# Altium PCB EEM_PWR_MOD_AC.pcbdoc (continued)
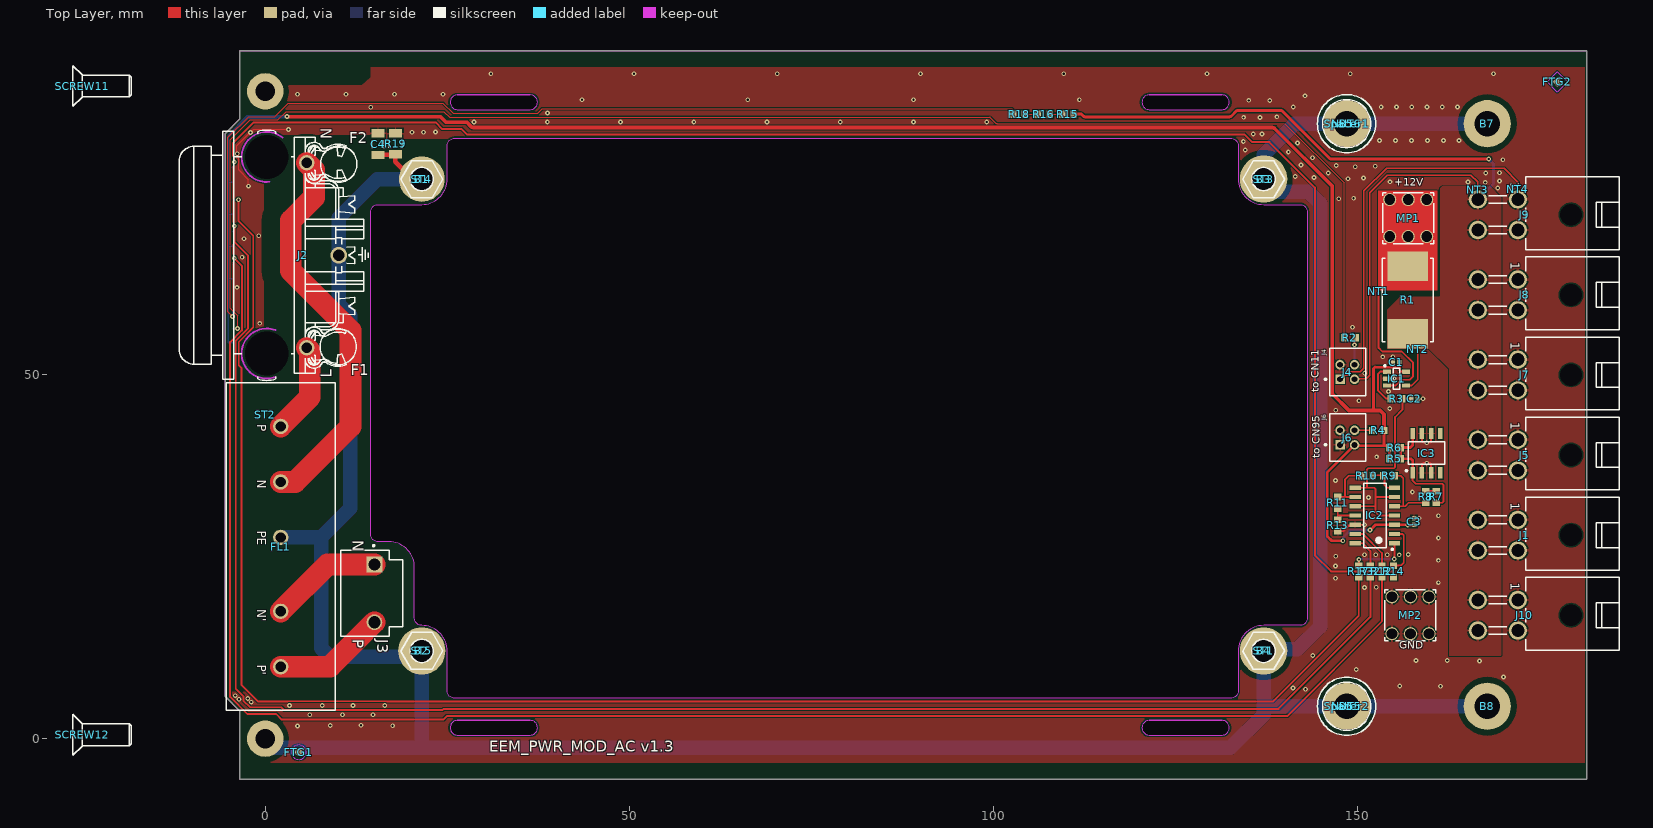
[diagram p0: Top Layer view]
## Footprints (in the part's own frame and the unit in brackets; to place one, negate y for a bottom-side part, rotate by r counter-clockwise, add the part's x,y. Pads: shape width x height; smd on the part's side, far side on the other; paste and mask are expansions set on the pad) (continued)
JST-B3P-VH(LF)(SN)-3_V [mm] "Connector, 3-Leads, Body 8.5x11.82mm, Pitch 3.96mm"
  rect 2.15x2.15 hole 1.65: 1(-3.96,1.25)
  round 2.15 hole 1.65: 3(3.96,1.25)
  silkscreen extent -6.68,-3.35 5.91,5.15, body extent -5.91,-3.35 5.91,5.15, height 10.9
LED_AVAGO_HSMC-C120 [mm] "Red Chip LED, 2-Leads, Body 1.7x1.1mm, Side Emitting Package"
  rect 0.8x0.7 smd: 1(-1,0) 2(1,0)
  rect 0.4x0.4 smd: 3(0,-0.35)
  silkscreen extent -1.12,-0.92 0.42,0.8, body extent -0.85,-0.3 0.85,0.8, height 0.7
LED_AVAGO_HSME-C120 [mm] "Green Chip LED, 2-Leads, Body 1.7x1.1mm, Side Emitting Package"
  rect 0.8x0.7 smd: 1(-1,0) 2(1,0)
  rect 0.4x0.4 smd: 3(0,-0.35)
  silkscreen extent -1.12,-0.92 0.42,0.8, body extent -0.85,-0.3 0.85,0.8, height 0.7
MOLEX_39-30-0040 [mm] "4.20mm (.165\") Pitch Mini-Fit Jr. Header, Dual Row, Right Angle with Snap-in Plastic Peg PCB Lock, 4 Circuits"
  round 2.5 hole 1.8: 1(-2.1,2.75) 2(2.1,2.75) 3(-2.1,-2.75) 4(2.1,-2.75)
  round 1 hole 3 unplated mask+1: 5(0,10.05)
  silkscreen extent -5.2,-1.24 4.8,16.65, body extent -5.2,-3.28 4.8,16.65, height 11.4
MTG320_700#1 [mm] "Plated Through Hole: Hole Dia.=3.2mm Pad Dia.=7.0mm"
  round 6.25 hole 3.2 mask+0.25: 1(0,0)
MTG320_700#2 [mm] "Plated Through Hole: Hole Dia.=3.2mm Pad Dia.=7.0mm"
  round 6.5 hole 3.2: 1(0,0)
MTG350_650 [mm] "Plated Through Hole: Hole Dia.=3.5mm Pad Dia.=6.5mm"
  round 6.5 hole 3.5: 1(0,0)
"Net Tie" [mil] "SMD Net Tie"
  rect 5x5 smd paste-2.5 mask-2.5: 1(0,0) 2(10,0)
  Top Layer lines w6: 0,0 10,0
OSSARD_M3X8/BN3327_h [mm] "M3 L=6mm countersunk; Pozidriv Head Screw, Fully Threaded - Stainless Steel A2"
  silkscreen extent -6.76,-2.8 1.27,2.8, body extent -6.73,-2.62 1.27,2.63, height 29.32
RESC1608X55N [mm] "Chip Resistor, EIA 0603, Metric 1608, Body 1.6x0.8mm, IPC Medium Density"
  rect 0.9x1 smd: 1(-0.8,0) 2(0.8,0)
  body extent -0.87,-0.47 0.88,0.48, height 0.55
RESC3216X65N [mm] "Chip Resistor, EIA 1206, Metric 3216, Body 3.2x1.6mm, IPC Medium Density"
  rect 1.15x1.8 smd: 1(-1.45,0) 2(1.45,0)
  silkscreen extent -0.5,-0.9 0.5,0.9, body extent -1.67,-0.87 1.68,0.88, height 0.65
RESM11670X254N [mm] "Resistor, Molded Body; 11.56mm L X 6.98mm W X 2.537mm H, IPC Medium Density"
  rect 4.05x5.5 smd: 1(-4.65,0) 2(4.65,0)
  silkscreen extent -5.75,-3.5 5.75,3.5, body extent -6.19,-3.55 6.19,3.55, height 2.54
"Schroff 30848430" [mm]
  round 5 hole 2.7: 1(0,0) 2(0,88.9)
SCHURTER_GSF1.2202.31 [mm] "IEC Appliance Inlet C14 with 2 Pole Fuseholder"
  round 2.1 hole 1.4: 1(-12.7,-5.5) 3(12.7,-5.5)
  round 2.3 hole 1.6: 2(0,-9.9)
  round 0 hole 6 unplated mask+2.5: 4(-13.5,0) 5(13.5,0)
  silkscreen extent -17.2,-13.93 17.2,12, body extent -17.18,-13.3 17.18,12, height 24.45
SOIC127P600X175-8N [mm] "SOIC 8, Pitch 1.27mm - Body 4x5mm, IPC Medium Density"
  rect 1.55x0.6 smd: 1(-2.7,1.905) 2(-2.7,0.635) 3(-2.7,-0.635) 4(-2.7,-1.905) 5(2.7,-1.905) 6(2.7,-0.635) 7(2.7,0.635) 8(2.7,1.905)
  silkscreen extent -2.52,-2.5 1.55,2.88, body extent -3.1,-2.5 3.1,2.5, height 1.75
SOIC127P600X175-14N [mm] "SOIC 14, Pitch 1.27mm - Body 4x8.75mm, IPC Medium Density"
  rect 1.55x0.6 smd: 1(-2.7,3.81) 2(-2.7,2.54) 3(-2.7,1.27) 4(-2.7,0) 5(-2.7,-1.27) 6(-2.7,-2.54) 7(-2.7,-3.81) 8(2.7,-3.81) 9(2.7,-2.54) 10(2.7,-1.27) 11(2.7,0) 12(2.7,1.27) 13(2.7,2.54) 14(2.7,3.81)
  silkscreen extent -2.53,-4.4 1.55,4.78, body extent -3.1,-4.37 3.1,4.38, height 1.75
SOT95P280X145-5N [mm] "SOT, 0.95mm pitch; 5 pin, 1.60mm W X 2.90mm L X 1.45mm H body, IPC Medium Density"
  rect 1.1x0.6 smd: 1(-1.3,0.95) 2(-1.3,0) 3(-1.3,-0.95) 4(1.3,-0.95) 5(1.3,0.95)
  silkscreen extent -1.72,-1.45 0.43,1.87, body extent -1.4,-1.5 1.4,1.5, height 1.45

## Part data
B1 B2 B3 B4: library part PLATED_HOLE3.2_PAD7.0, "Single Terminal Socket", Author="CERN DEM JMW", ClassName=Overlapping, Component Type="Standard (No BOM)", ComponentHeight=0mm, CreateDate=28.11.2017, Family="Plated Hole", HelpURL=Undefined, LatestRevisionDate=28.11.2017, Mounted=No, PackageDescription="Plated Through Hole: Hole Dia.=3.2mm Pad Dia.=7.0mm", Part Description="Plated Through Hole: Hole Dia.=3.2mm Pad Dia.=7.0mm", Part Number=PLATED_HOLE3.2_PAD7.0, Pin Count=1, Sense=No, SMD=No, Socket=No, Status=None
B5 B6 B7 B8: library part PLATED_HOLE3.5_PAD6.5, "Single Terminal Socket", Author="CERN DEM JLC", ClassName=Overlapping, Component Type="Standard (No BOM)", ComponentHeight=0mm, CreateDate=20.11.2008, Family="Plated Hole", HelpURL=Undefined, LatestRevisionDate=23.11.2011, Mounted=No, PackageDescription="Plated Through Hole: Hole Dia.=3.5mm Pad Dia.=6.5mm", Part Description="Plated Through Hole: Hole Dia.=3.5mm Pad Dia.=6.5mm", Part Number=PLATED_HOLE3.5_PAD6.5, Pin Count=1, Sense=No, SMD=No, Socket=No, Status=None
C1 C2 C3: library part CC0402_100NF_25V_10%_X7R_YUDEN_TMK105B7104KVHF, "Non-polarised capacitor", Case=0402, Manufacturer="TAIYO YUDEN", Manufacturer Part Number=TMK105B7104KVHF, Tolerance=±10%, Voltage=25V, Author="CERN DEM JLC", Component Type=Standard, ComponentHeight=0.55mm, CreateDate=10/05/2017, HelpURL=\\cern.ch\dfs\Applications\Altium\Datasheets\CC0402_TAIYO-YUDEN_TMK105B7104KVHF.pdf, LatestRevisionDate=10/05/2017, Mounted=Yes, Part Description="SMD Multilayer Chip Ceramic Capacitor (High Dielectric Type) for Automotive / Industrial Applications", Part Number=CC0402_100NF_25V_10%_X7R_YUDEN_TMK105B7104KVHF, Pin Count=2, Sense=No, SMD=Yes, Socket=No, Status="Not Recommended", TC=X7R
C4: library part CC1206_1NF_2KV_10%_X7R, "Non-polarised capacitor", Case=1206, Manufacturer=GENERIC, Manufacturer1 ComponentHeight=1.8mm, Manufacturer1 Example=AVX, Manufacturer1 Part Number=1206GC102KAT2A, Tolerance=±10%, Voltage=2kV, Author="CERN DEM JLC", Component Type=Standard, CreateDate=19.11.2012, HelpURL=\\cern.ch\dfs\Applications\Altium\Datasheets\CC1206_X7R_AVX_HV-MLC.pdf, LatestRevisionDate=17.05.2017, Manufacturer Part Number=CC1206_1NF_2KV_10%_X7R, Mounted=Yes, Part Description="High Voltage MLC Chip Capacitor", Part Number=CC1206_1NF_2KV_10%_X7R, Pin Count=2, Sense=No, SMD=Yes, Socket=No, Status=None, TC=X7R
F1 F2: library part FUSE_SCHURTER_0034.3127_v, "Fuse", Manufacturer=SCHURTER, Manufacturer Part Number=0034.3127, Author="CERN DEM JLC", ClassName=Overlapping, Component Type=Standard, ComponentHeight=20.5mm, CreateDate=28.01.2013, Family=Fuse, HelpURL=\\cern.ch\dfs\Applications\Altium\Datasheets\FUSE_SCHURTER_FST5X20.pdf, LatestRevisionDate=28.01.2013, Mounted=Yes, PackageDescription="5x20mm Cylindrical Fuse, SCHURTER FST5X20 Series", Part Description="Cylindrical 5x20 mm, Time-Lag T Miniature Fuse, FST Series", Part Number=FUSE_SCHURTER_0034.3127_v, Pin Count=0, PressFit=No, Sense=No, SMD=No, Socket=Yes
FL1: library part "FIL_SCHAFFNER_FN 406-1-02", "0.6 to 8.4A 230VAC Single Phase Ultra Compact EMC Filter", Case="L45 W15 H28", Manufacturer=SCHAFFNER, Manufacturer Part Number=FN406-3-02, Part Number=FIL_SCHAFFNER_FN406-3-02, Author="CERN DEM JLC", Component Type=Standard, ComponentHeight=28mm, CreateDate=24.05.2017, HelpURL="\\cern.ch\dfs\Applications\Altium\Datasheets\FIL_SCHAFFNER_FN 406-1-02.pdf", LatestRevisionDate=24.05.2017, Mounted=Yes, Part Description="Single Phase Ultra Compact EMC Filter", Pin Count=5, Sense=No, SMD=No, Socket=No
FTG1: library part FIDUCIAL_TARGET_C100-200, "Fiducial Target", Author="CERN DEM JLC", Component Type="Standard (No BOM)", ComponentHeight=0mm, CreateDate=09.02.2010, Family=Fiducial, HelpURL=Undefined, LatestRevisionDate=04.04.2012, Mounted=No, PackageDescription="Round Fiducial Target, Top Layer, 1.0mm, Top Solder 2.0mm, Keepout =2.0mm", Part Description="Round Fiducial Target, Top Layer, 1.0mm, Top Solder 2.0mm, Keepout =2.0mm", Part Number=FIDUCIAL_TARGET_C100-200, Pin Count=1, Sense=No, SMD=Yes, Socket=No, Status=None
FTG2: library part FIDUCIAL_TARGET_S100-200, "Fiducial Target", Author="CERN DEM JLC", Component Type="Standard (No BOM)", ComponentHeight=0mm, CreateDate=09.02.2010, Family=Fiducial, HelpURL=Undefined, LatestRevisionDate=04.04.2012, Mounted=No, PackageDescription="Square Fiducial Target, Top Layer, 1.0mm, Top Solder 2.0mm, Keepout =2.0mm", Part Description="Square Fiducial Target, Top Layer, 1.0mm, Top Solder 2.0mm, Keepout =2.0mm", Part Number=FIDUCIAL_TARGET_S100-200, Pin Count=1, Sense=No, SMD=Yes, Socket=No, Status=None
IC1: "Current Shunt Monitor -16V to +80V Common-Mode Range", Case=SOT23-5, Manufacturer="TEXAS INSTRUMENTS", Author="CERN DEM JLC", Bonding=No, Component Type=Standard, ComponentHeight=1.45mm, CreateDate=10.05.2010, Device=INA194AIDBVT, HelpURL=\\cern.ch\dfs\Applications\Altium\Datasheets\INA194AIDBVT.pdf, LatestRevisionDate=10.05.2010, Manufacturer Part Number=INA194AIDBVT, Mounted=Yes, PackageDescription="SOT, 0.95mm pitch; 5 pin, 1.60mm W X 2.90mm L X 1.45mm H body, IPC Medium Density", Part Description="Current Shunt Monitor -16V to +80V Common-Mode Range", Part Number=INA194AIDBVT, Pin Count=5, PressFit=No, Sense=No, SMD=Yes, Socket=No
IC2: "Quad Operational Amplifier", Case=SOIC14, Manufacturer="TEXAS INSTRUMENTS", Author="CERN DEM JLC", Bonding=No, Component Type=Standard, ComponentHeight=1.75mm, CreateDate=09.03.2011, Device=LM339AD, HelpURL=\\cern.ch\dfs\Applications\Altium\Datasheets\LM339AD.pdf, LatestRevisionDate=09.03.2011, Manufacturer Part Number=LM339AD, Mounted=Yes, PackageDescription="SOIC 14, Pitch 1.27mm - Body 4x8.75mm, IPC Medium Density", Part Description="Quad Differential Comparator", Part Number=LM339AD, Pin Count=14, PressFit=No, Sense=No, SMD=Yes, Socket=No
IC3: "Precision Programmable Reference", Case=SOIC8, Manufacturer="TEXAS INSTRUMENTS", Author="CERN DEM JLC", Bonding=No, Component Type=Standard, ComponentHeight=1.75mm, CreateDate=18.01.2011, Device=TL431CD, HelpURL=\\cern.ch\dfs\Applications\Altium\Datasheets\TL431CD.pdf, LatestRevisionDate=28.02.2011, Manufacturer Part Number=TL431CD, Mounted=Yes, PackageDescription="SOIC 8, Pitch 1.27mm, Body 4x5mm, IPC Medium Density", Part Description="Vref (2.5V) To 36V 2% Precision Programmable Reference", Part Number=TL431CD, Pin Count=8, PressFit=No, Sense=No, SMD=Yes, Socket=No
J1 J5 J7 J8 J9 J10: library part MOLEX_39-30-0040, "Connector 4 Male", Manufacturer=MOLEX, Manufacturer Part Number=39-30-0040, Author="CERN DEM JLC", Component Type=Standard, ComponentHeight=11.4mm, CreateDate=02/10/2018, Family="Mini-Fit Jr.™", HelpURL=\\cern.ch\dfs\Applications\Altium\Datasheets\MOLEX_39-30-0040.pdf, LatestRevisionDate=02/10/2018, Mounted=Yes, Part Description="4.20mm (.165\") Pitch Mini-Fit Jr. Header, Dual Row, Right Angle with Snap-in Plastic Peg PCB Lock, 4 Circuits", Part Number=MOLEX_39-30-0040, Pin Count=4, PressFit=No, Sense=No, SMD=No, Socket=No, Status=None
J2: library part SCHURTER_GSF1.2202.31, "Connector 3 Male 2P+ 2 Fuse Holder", Manufacturer=SCHURTER, Manufacturer Part Number=GSF1.2201.31, Part Number=SCHURTER_GSF1.2201.31, Author="CERN DEM JMW", ClassName=Overlapping, Component Type=Standard, ComponentHeight=24.45mm, CreateDate=20.09.2012, Family=IEC, HelpURL=\\cern.ch\dfs\Applications\Altium\Datasheets\SCHURTER_GSF1.2202.31.pdf, LatestRevisionDate=20.09.2012, Mounted=Yes, Part Description="10A 250Vac Sandwich Panel Mount (1.5mm) Inlet IEC Connector With 2 Fuseholder 5x20mm And Snap-in PCB Mount", Pin Count=3, PressFit=No, Sense=No, SMD=No, Socket=No, Status=None
J3: library part CMP-1755-00003-1, "Male Header, Pitch 3.96 mm, 1 x 3 Position, Height 10.9 mm, Tail Length 3.7 mm, -25 to 85 degC, RoHS, Bulk", ComponentLink1Description="Manufacturer URL", ComponentLink1URL=http://www.jst.com/home2.html, ComponentLink2Description=Datasheet, ComponentLink2URL=http://www.jst-mfg.com/product/pdf/eng/eVH.pdf, DatasheetVersion=May-16, PackageDescription="Male Header, Pitch 3.96 mm, 1 x 3 Position, Height 10.9 mm, Tail Length 3.7 mm", PackageReference=B3P-VH(LF)(SN)
J4 J6: library part CON_4_HIROSE_DF11-4DP-2DSA, "Connector 4 Male", Manufacturer="HIROSE (HRS)", Manufacturer Part Number=DF11-4DP-2DSA, Part Number=HIROSE_DF11-4DP-2DSA, Author=GK, Component Type=Standard, ComponentHeight=3.6mm, CreateDate=22.10.2014, Family="Header 4", HelpURL=\\cern.ch\dfs\Applications\Altium\Datasheets\HIROSE_DF13-4P-1.25H(50).pdf, LatestRevisionDate=22.10.2014, Mounted=Yes, Part Description="Pitch 2mm, Dual Row, 4 Contacts,  vertical Header, DF11 Series", Pin Count=4, PressFit=No, Sense=No, SMD=Yes, Socket=No, Status=None
LD1: library part LED_AVAGO_HSMC-C120, "LED Red 1C 2A", Manufacturer="AVAGO TECHNOLOGIES", Manufacturer Part Number=HSMC-C120, Author="CERN DEM JMW", Bonding=No, Color=Red, Component Type=Standard, ComponentHeight=0.7mm, ComponentLink1Description="Design Guide", ComponentLink1URL=\\cern.ch\dfs\Applications\Altium\Datasheets\LED_AVAGO_HSMC-C120_DESIGN-GUIDE.pdf, CreateDate=22.07.2009, HelpURL=\\cern.ch\dfs\Applications\Altium\Datasheets\LED_AVAGO_HSMC-C120.pdf, LatestRevisionDate=20.06.2012, Mounted=Yes, PackageDescription="Red Chip LED, 2-Leads, Body 1.7x1.1mm, Side Emitting Package", Part Description="High Performance Right Angle Chip Red LED", Part Number=LED_AVAGO_HSMC-C120, Pin Count=2, PressFit=No, Sense=No, SMD=Yes, Socket=No
LD2 LD3 LD4 LD5 LD6: library part LED_AVAGO_HSME-C120, "LED Green 1C 2A", Manufacturer="AVAGO TECHNOLOGIES", Manufacturer Part Number=HSME-C120, Author="CERN DEM JMW", Bonding=No, Color=Green, Component Type=Standard, ComponentHeight=0.7mm, ComponentLink1Description="Design Guide", ComponentLink1URL=\\cern.ch\dfs\Applications\Altium\Datasheets\LED_AVAGO_HSME-C110_DESIGN-GUIDE.pdf, CreateDate=22.07.2009, HelpURL=\\cern.ch\dfs\Applications\Altium\Datasheets\LED_AVAGO_HSME-C120.pdf, LatestRevisionDate=20.06.2012, Mounted=Yes, PackageDescription="Green Chip LED, 2-Leads, Body 1.7x1.1mm, Side Emitting Package", Part Description="High Performance Right Angle Chip Green LED", Part Number=LED_AVAGO_HSME-C120, Pin Count=2, PressFit=No, Sense=No, SMD=Yes, Socket=No
MP1 MP2: library part 7461057, "WP-BUTR Press-Fit with Internal thread, two rows, 7x7mm, 6 pins, M3x5mm, 100A", Operating Temperature="-55 to +150degC", Rated Current=100A, ComponentLink1Description=Manufacturer, ComponentLink1URL=http://www.we-online.de, ComponentLink2Description=Datasheet, ComponentLink2URL=https://katalog.we-online.com/em/datasheet/7461057.pdf, Height=6mm, Material=Brass, Mounting Technology=Press-Fit, Packaging=Bulk, Part Number=7461057, Pin Number=6, Published Date="September 2019", Publisher="Wurth Elektronik", Size=7x7mm, Surface=Tin, Thread=M3, Thread Length=5mm
NUT5 NUT6: library part BOSSARD_BN628-1241443_v, "Nut", Manufacturer=BOSSARD, Manufacturer Part Number="BN628 Art.1241443", Author="CERN DEM JMW", ClassName=Overlapping, Component Type=Mechanical, ComponentHeight=2.4mm, CreateDate=04/12/2015, HelpURL=\\cern.ch\dfs\Applications\Altium\Datasheets\BOSSARD_BN628-1241443.pdf, LatestRevisionDate=04/12/2015, Mounted=Yes, PackageDescription="M3 Hexagon Nut ~0,8d, ISO 4032, DIN 934, Stainless Steel A2", Part Description="M3 Hexagon Nut ~0,8d, ISO 4032, DIN 934, Stainless Steel A2", Part Number=BOSSARD_BN628-1241443_v, Pin Count=0, PressFit=No, Sense=No, SMD=No, Socket=No, Status=None
PWR1: "Switching Power Supplies 399.6W 12V 33.3A 3X5 open frame W/PFC", ClassName=Overlapping, Manufacturer Part Number=EPP-400-12
R1: library part R4527_0R001_1%_2W_75PPM, "Resistor - 1%", Case=4527, Manufacturer="VISHAY DALE", Manufacturer Part Number=WSR21L000FEA, Power=2W, Tolerance=±1%, Author="CERN DEM JLC", Component Type=Standard, ComponentHeight=2.53mm, CreateDate=22/03/2011, HelpURL=\\cern.ch\dfs\Applications\Altium\Datasheets\R4527_VISHAY_WSR2.pdf, LatestRevisionDate=22/03/2011, Mounted=Yes, Part Description="Surface Mount Power Metal Strip® Resistor", Part Number=R4527_0R001_1%_2W_75PPM, Pin Count=2, PressFit=No, Sense=No, SMD=Yes, Socket=No, Status=None, TC=±75ppm/°C
R2 R4 R5 R6 R12 R14 R15 R16 R17 R18 R32: library part R0603_1K_1%_0.1W_100PPM, "Resistor - 1%", Case=0603, Manufacturer=GENERIC, Manufacturer1 ComponentHeight=0.55mm, Manufacturer1 Example="NIC COMPONENT", Manufacturer1 Part Number=NRC06F1001TRF, Power=0.1W, Tolerance=±1%, Author="CERN DEM JLC", Component Type=Standard, CreateDate=03.12.2007, HelpURL=\\cern.ch\dfs\Applications\Altium\Datasheets\R0603_NIC_NRC.pdf, LatestRevisionDate=13.03.2008, Manufacturer Part Number=R0603_1K_1%_0.1W_100PPM, Mounted=Yes, Part Description="General Purpose Thick Film Chip Resistor", Part Number=R0603_1K_1%_0.1W_100PPM, Pin Count=2, PressFit=No, Sense=No, SMD=Yes, Socket=No, Status=Preferred, TC=±100ppm/°C
R3 R7 R8 R9 R10 R11 R13: library part R0603_10K_1%_0.1W_100PPM, "Resistor - 1%", Case=0603, Manufacturer=GENERIC, Manufacturer1 ComponentHeight=0.55mm, Manufacturer1 Example="NIC COMPONENT", Manufacturer1 Part Number=NRC06F1002TRF, Power=0.1W, Tolerance=±1%, Author="CERN DEM JLC", Component Type=Standard, CreateDate=03.12.2007, HelpURL=\\cern.ch\dfs\Applications\Altium\Datasheets\R0603_NIC_NRC.pdf, LatestRevisionDate=13.03.2008, Manufacturer Part Number=R0603_10K_1%_0.1W_100PPM, Mounted=Yes, Part Description="General Purpose Thick Film Chip Resistor", Part Number=R0603_10K_1%_0.1W_100PPM, Pin Count=2, PressFit=No, Sense=No, SMD=Yes, Socket=No, Status=Preferred, TC=±100ppm/°C
R19: library part R1206_1M_1%_0.25W_100PPM, "Resistor - 1%", Case=1206, Manufacturer=GENERIC, Manufacturer1 ComponentHeight=0.65mm, Manufacturer1 Example="NIC COMPONENT", Manufacturer1 Part Number=NRC12F1004TRF, Power=0.25W, Tolerance=±1%, Author="CERN DEM JLC", Component Type=Standard, CreateDate=03.12.2007, HelpURL=\\cern.ch\dfs\Applications\Altium\Datasheets\R1206_NIC_NRC.pdf, LatestRevisionDate=13.03.2008, Manufacturer Part Number=R1206_1M_1%_0.25W_100PPM, Mounted=Yes, Part Description="General Purpose Thick Film Chip Resistor", Part Number=R1206_1M_1%_0.25W_100PPM, Pin Count=2, PressFit=No, Sense=No, SMD=Yes, Socket=No, Status=Preferred, TC=±100ppm/°C
SCREW1 SCREW2 SCREW3 SCREW4: library part BOSSARD_BN5687-3061605_v, "Screw", Manufacturer=BOSSARD, Manufacturer Part Number="BN5687 Art.3061605", Author="CERN DEM JLC", Component Type=Mechanical, ComponentHeight=2.4mm, CreateDate=15/01/2013, HelpURL=\\cern.ch\dfs\Applications\Altium\Datasheets\BOSSARD_BN5687-3061605.pdf, LatestRevisionDate=15/01/2013, Mounted=Yes, PackageDescription="M3 L=6mm Hexalobular Socket Pan Head Screw, Fully Threaded - Stainless Steel A2", Part Description="M3 L=6mm Hexalobular Socket Pan Head Screw, Fully Threaded, Stainless Steel A2", Part Number=BOSSARD_BN5687-3061605_v, Pin Count=0, PressFit=No, Sense=No, SMD=No, Socket=No, Status=None
SCREW5 SCREW6: library part BOSSARD_BN5687-3061609_v, "Screw", Manufacturer=BOSSARD, Manufacturer Part Number="BN5687 Art.3061609", Author="CERN DEM JLC", ClassName=Overlapping, Component Type=Mechanical, ComponentHeight=14.4mm, CreateDate=22/08/2013, HelpURL=\\cern.ch\dfs\Applications\Altium\Datasheets\BOSSARD_BN5687-3061609.pdf, LatestRevisionDate=22/08/2013, Mounted=Yes, PackageDescription="M3 L=12mm Hexalobular Socket Pan Head Screw, Fully Threaded - Stainless Steel A2", Part Description="M3 L=12mm Hexalobular Socket Pan Head Screw, Fully Threaded, Stainless Steel A2", Part Number=BOSSARD_BN5687-3061609_v, Pin Count=0, PressFit=No, Sense=No, SMD=No, Socket=No, Status=None
SCREW11 SCREW12: library part Screw_M3x8_Countersunk, "Screw; 3x8; Head: countersunk; Pozidriv; A2 stainless steel", Manufacturer=BOSSARD, Manufacturer Part Number=M3X8/BN3327_h, Part Number=OSSARD_M3X8/BN3327, Author=GK, ClassName=Overlapping, Component Type=Mechanical, ComponentHeight=5.6mm, CreateDate=15/01/2013, HelpURL=\\cern.ch\dfs\Applications\Altium\Datasheets\BOSSARD_BN5687-3061605.pdf, LatestRevisionDate=15/01/2013, Mounted=Yes, PackageDescription="M3 L=8mm Countersunk Posidriv Screw, Fully Threaded - Stainless Steel A2", Part Description="M3 L=8mm  countersunk; Pozidriv Pan Head Screw, Fully Threaded, Stainless Steel A2", Pin Count=0, PressFit=No, Sense=No, SMD=No, Socket=No, Status=None
Spacer1 Spacer2: library part MECH_Spacer_3.2x4x6, "Metric Female Unthreaded Round Brass Spacer/Pillar, Length 4mm, External Dia. 6mm, Internal Dia. 3.2mm", Manufacturer=DREMEC, Manufacturer Part Number=DR316/3.2X4, Part Number=DREMEC_DR316/3.2X4, Author=GK, ClassName=Overlapping, Component Type=Standard, ComponentHeight=6mm, CreateDate=13.09.2017, HelpURL=\\cern.ch\dfs\Applications\Altium\Datasheets\HARWIN_R6162-02.pdf, LatestRevisionDate=13.09.2017, Mounted=Yes, PackageDescription="Metric Female Unthreaded Round Brass Spacer/Pillar, Length 4mm, External Dia. 6mm, Internal Dia. 3.2mm", Part Description="Metric Female Unthreaded Round Brass Spacer/Pillar, Length 4mm, External Dia. 6mm, Internal Dia. 3.2mm", Pin Count=0, PressFit=Yes, Sense=No, SMD=No, Socket=No, Status=None
ST1 ST3 ST4 ST5: library part MECH_Standoff_M3x28_rev, "M3x28 standoff", Manufacturer=Ettinger, Manufacturer Part Number=05.13.281, Part Number=Ettinger_05.13.281, Author=GK, ClassName=Overlapping, Component Type=Mechanical, ComponentHeight=28, CreateDate=25.02.2019, HelpURL=\\cern.ch\dfs\Applications\Altium\Datasheets\BOSSARD_BN5687-3061597.pdf, LatestRevisionDate=25.02.2019, Mounted=Yes, PackageDescription="M3 L=28mm   Fully Threaded - Stainless Steel spacer", Part Description="M3x28 male - female Hex Spacer made of free-machining brass with nickel plated finish", Pin Count=0, PressFit=No, Sense=No, SMD=No, Socket=No, Status=None
ST2: "Schroff 8HP 4U EUROCARD Panel with ejector", Manufacturer Part Number=30848430
NT1 NT2 NT3 NT4: Author="CERN DEM JLC", Component Type="Net Tie", ComponentHeight=0mm, CreateDate=22.03.2011, Family="Net Tie", HelpURL=Undefined, LatestRevisionDate=22.03.2011, Mounted=No, PackageDescription="2 Plated Through Hole For Coaxial Cable Link: Hole Dia.=1.4mm Pad Dia.=2.5mm", Part Description="Net Tie (2 Nets)", Part Number="Net Tie", Pin Count=2, Sense=No, SMD=No, Socket=No, Status=None

## Via types
v1: diameter 0.65, hole 0.3, Top Layer to Bottom Layer, tented both sides, 154 vias

## Nets (pads, with @x,y where several pads share a name; then routed paths per layer and width w, separated by ;. In a path a pad name is that pad's centre, name@x,y a point inside that pad or via, vN(x,y) a via of type N, cw(c..) or ccw(c..) an arc to the next point about the centre after c; other vN are vias at no path point)
0.825V: IC2.9 R10.2 R11.1 | length 7.2
  Top Layer w0.254: R11.1 148.282,33.192 ; 148.284,33.191 148.282,33.192 ; IC2.9 148.282,33.192 ; R10.2 148.825,36.111 148.273,35.56 148.273,33.201 148.282,33.192
0.4125V: IC2.11 R11.2 R13.1 | length 3.9
  Top Layer w0.254: R13.1 147.292,30.652 ; R11.2 147.292,30.652 ; IC2.11 147.292,30.652
1.65V: IC2.5 R8.2 R9.1 | length 9.6
  Top Layer w0.254: IC2.5 156.283,31.922 ; R9.1 155.932,36.099 156.283,35.748 156.283,31.922 ; R8.2 156.998,32.392 156.528,31.922 156.283,31.922
1.2375V: IC2.7 R9.2 R10.1 | length 4.2
  Top Layer w0.254: R10.1@152.09,36.172 R9.2@153.526,36.172 ; R9.2@153.713,36.111 153.713,34.825 154.073,34.465 155.077,34.465 IC2.7
+12V_Sense: J4.2 NT3.1 | length 44.4
  Top Layer w0.2: J4.2 149.7,49.45 151.172,49.45 151.664,49.942 151.664,74.981 154.082,77.4 165.561,77.4 166.486,76.474 NT3.1@166.486,75.591
GND: C1.1 C2.1 C3.1 C4.2 IC1.2 IC2.12 IC3.2 IC3.3 IC3.6 IC3.7 J1.1 J1.2 J4.3 J5.1 J5.2 J6.1 J6.3 J7.1 J7.2 J8.1 J8.2 J9.1 J9.2 J10.1 J10.2 LD6.1 MP2.1 NT4.2 R13.2 R19.2 | length 28.6
  Top Layer w0.152: v1@-3.898,80.326 -3.898,81.426 -2.066,83.257 v1(-2.022,83.257) -1.566,83.713 3.127,83.713 v1(3.2,83.64) ; v1(-3.834,80.326) -3.834,80.191 -3.638,79.995 -3.638,78.097 -2.306,76.765 v1(-2.306,75.88)
  Top Layer w0.254: R13.2 148.049,28.488 148.769,29.209 149.507,29.209 IC2.12 v1(150.944,29.382) ; IC1.2 154.994,49.45 v1(155.002,49.458) ; C1.1 v1(154.855,52.45) ; C3.1 v1(158.454,30.259) ; C2.1 v1(158.981,46.688) ; IC3.2 158.842,37.611 159.068,37.838 v1(159.51,37.838) 159.946,37.838 160.112,37.672 IC3.3 ; IC3.7 158.842,40.879 159.088,40.632 v1(159.497,40.632) 159.912,40.632 160.112,40.831 IC3.6
  other v1: 4.433,1.752 17.498,1.782 8.927,1.811 13.138,1.856 6.106,3.29 10.6,3.29 14.81,3.29 3.343,4.544 7.837,4.544 12.048,4.544 16.408,4.544 -1.918,5.018 -3.604,5.413 -2.389,5.504 -4.106,5.913 142.859,6.783 141.129,6.97 161.382,7.195 155.801,7.25 170.05,8.479 149.819,9.512 166.75,10.657 158.03,10.748 162.316,10.748 143.845,11.429 150.949,20.765 152.571,20.803 161.103,21.426 146.969,22.03 146.969,23.726 161.103,24.487 147.011,25.04 155.722,25.24 150.974,25.269 152.498,25.269 154.088,25.269 156.977,25.278 161.103,27.547 161.103,30.608 151.501,33.132 157.533,33.889 146.988,35.443 152.628,38.699 147.007,45.093 154.424,45.343 150.185,46.419 154.257,47.686 150.996,50.171 153.471,52.435 149.315,56.508 -0.752,57.032 -3.877,61.975 -3.17,66.108 -2.926,68.644 -0.894,69.063 147.419,74.157 149.468,74.215 169.249,75.636 167.538,76.398 154.449,76.463 165.155,76.461 169.509,76.577 148.682,76.898 150.808,76.991 144.034,77.073 141.437,77.205 145.982,77.667 167.601,77.697 169.491,77.724 149.678,78.542 152.445,78.621 147.074,78.714 142.249,78.772 169.958,79.494 143.819,79.767 140.501,80.555 134.59,80.84 141.743,81.812 134.322,82.008 153.012,82.152 155.215,82.152 157.417,82.152 159.62,82.152 161.822,82.152 163.922,82.152 135.681,83.022 136.888,83.042 20.143,83.274 21.725,83.274 23.373,83.307 28.687,84.685 38.743,84.685 48.802,84.685 58.861,84.685 68.92,84.685 78.979,84.685 89.038,84.685 99.096,84.685 136.601,85.301 134.36,85.32 138.922,85.392 38.759,85.912 14.497,86.712 141.18,86.75 153.244,86.748 155.344,86.748 157.444,86.748 159.544,86.748 161.643,86.748 163.743,86.748 137.941,87.637 135.069,87.656 43.502,87.747 66.269,87.747 89.035,87.747 111.802,87.747 142.774,88.277 4.418,88.501 11.078,88.501 17.738,88.501 24.398,88.501 30.987,91.316 50.656,91.316 70.326,91.316 89.995,91.316 109.665,91.316 129.334,91.316 149.004,91.316 168.673,91.316
i_adc: C2.2 IC2.4 IC2.6 IC2.8 IC2.10 R3.1 | length 31.7
  Top Layer w0.254: IC2.10@149.681,31.922 152.459,31.922 ; IC2.8 151.309,34.462 ; IC2.4 152.942,30.652 152.459,31.135 152.459,31.922 ; IC2.6 152.459,33.192 ; C2.2 R3.1 156.162,45.172 155.149,44.159 155.149,37.289 155,37.14 151.458,37.14 151.309,36.991 151.309,34.462 ; 151.309,34.462 152.31,34.462 152.459,34.313 152.459,33.192 ; 152.459,31.922 152.459,33.192
LED_25%: LD5.1 R12.2 | length 233.4
  Top Layer w0.254: v1(-4.237,65.986) -3.202,64.951 -3.202,56.071 -4.813,54.46 -4.813,5.74 -2.462,3.389 1.501,3.389 2.27,2.621 24.469,2.621 24.951,3.103 140.343,3.103 153.359,16.119 R12.2
  Bottom Layer w0.152: LD5.1 -4.237,65.434 v1(-4.237,65.986)
LED_50%: LD3.1 R32.2 | length 234
  Top Layer w0.254: v1(-4.237,70.398) -4.237,68.217 -2.353,66.333 -2.353,56.349 -4.008,54.693 -4.008,54.679 -4.043,54.644 -4.043,6.846 -2.997,5.8 -2.997,5.236 -2.072,4.311 2.227,4.311 2.61,3.929 24.345,3.929 24.506,4.09 139.139,4.09 151.774,16.725 R32.2@151.774,22.153
  Bottom Layer w0.152: LD3.1 -4.237,69.846 v1(-4.237,70.398)
LED_75%: LD4.1 R17.2 | length 233.8
  Top Layer w0.254: v1(-3.684,74.004) -3.684,71.137 -1.641,69.094 -1.641,56.474 -3.639,54.476 -3.639,51.296 -3.235,50.891 -3.235,7.345 -1.013,5.123 3.071,5.123 3.094,5.146 16.657,5.146 16.68,5.123 138.4,5.123 150.166,16.889 R17.2@150.166,22.151
  Bottom Layer w0.152: LD4.1 v1(-3.684,74.004)
LED_100%: LD2.1 R14.2 | length 219.9
  Top Layer w0.254: v1(-4.238,79.187) -4.281,79.23 -4.281,79.893 -4.436,80.048 -4.436,81.751 -1.567,84.621 23.398,84.621 24.305,83.714 26.995,83.714 27.751,82.957 134.507,82.957 135.535,81.93 137.898,81.93 144.142,75.686 144.142,25.202 146.372,22.972 154.785,22.972 154.953,22.805 R14.2
  Bottom Layer w0.254: LD2.1 -4.314,78.592 -4.314,79.111 v1(-4.238,79.187)
NetFL1_N: FL1.N J2.3 | length 54.1
  Top Layer w3: FL1.N 4.123,35.268 11.689,42.834 11.689,56.07 3.5,64.259 3.5,71.137 6.685,74.323 6.685,78.101 J2.3
NetFL1_N': FL1.N' J3.1 | length 15.5
  Top Layer w3: FL1.N' 8.547,23.91 J3.1
NetFL1_P: FL1.P J2.1 | length 12.6
  Top Layer w3: FL1.P 6.117,46.88 6.117,53.269 J2.1
NetFL1_P': FL1.P' J3.3 | length 15.4
  Top Layer w3: FL1.P' 8.878,9.868 J3.3
NetIC1_1: IC1.1 R3.2 | length 5.9
  Top Layer w0.254: IC1.1 153.145,50.4 152.788,50.044 152.788,47.82 153.88,46.729 154.521,46.729 R3.2
NetIC1_3: IC1.3 NT1.1 | length 19.1
  Top Layer w0.254: NT1.1@152.901,61.251 152.901,53.665 153.395,53.17 156.066,53.17 157.641,51.596 157.641,49.742 157.193,49.293 156.007,49.293 155.223,48.509 154.928,48.509 IC1.3@154.089,48.509
NetIC1_4: IC1.4 NT2.1 | length 5.9
  Top Layer w0.254: IC1.4@156.663,48.501 157.444,48.501 158.269,49.326 NT2.1@158.269,53.271
NetIC2_1: IC2.1 R17.1 | length 7.9
  Top Layer w0.254: R17.1@150.172,23.764 150.186,23.778 v1(150.186,24.617) ; v1(155.032,24.689) 155.08,24.738 IC2.1
  Bottom Layer w0.254: v1(150.186,24.617) 150.222,24.653 154.996,24.653 v1(155.032,24.689)
NetIC2_2: IC2.2 R14.1 | length 6.7
  Top Layer w0.254: R14.1 155.946,23.764 156.356,24.175 156.356,27.936 156.18,28.112 IC2.2
NetIC2_13: IC2.13 R12.1 | length 6.5
  Top Layer w0.254: IC2.13 150.74,28.112 153.359,25.493 R12.1
NetIC2_14: IC2.14 R32.1 | length 4.5
  Top Layer w0.254: IC2.14 149.685,26.838 150.687,26.838 151.766,25.759 R32.1
NetJ6_4: J6.4 R4.1 | length 2.4
  Top Layer w0.203: J6.4 152.018,42.35 R4.1
NetLD1_1: LD1.1 R2.2 | length 206.9
  Top Layer w0.152: v1(-3.804,56.328) -3.77,56.361 -3.77,58.063 -4.799,59.092 -4.799,82.226 -2.051,84.974 1.723,84.974 2.868,86.119 24.515,86.119 25.317,85.317 99.49,85.317 cw(c99.49,85.165) 99.597,85.273 100.347,84.523 ccw(c100.455,84.631) 100.455,84.478 140.033,84.478 148.15,76.361 R2.2
  Bottom Layer w0.152: LD1.1 -4.462,56.328 v1(-3.804,56.328)
NetLD6_2: LD6.2 R18.1 | length 137
  Top Layer w0.152: v1(-4.491,57.962) -5.124,58.595 -5.124,82.57 -2.286,85.408 1.31,85.408 3.196,87.294 24.372,87.294 25.794,85.872 37.403,85.872 38.051,86.52 102.533,86.52 102.681,86.372 102.681,85.803 R18.1
  Bottom Layer w0.152: v1(-4.491,57.962) LD6.2
NetR7_2: R7.2 R8.1 | length 1.4
  Top Layer w0.254: R8.1 R7.2
NetR15_1: R15.1 R16.2 | length 1.7
  Top Layer w0.152: R16.2 R15.1
NetR16_1: R16.1 R18.2 | length 1.8
  Top Layer w0.152: R18.2 R16.1
P2V5REF: IC3.1 IC3.8 R5.1 R6.1 R7.1 | length 17.3
  Top Layer w0.254: IC3.1 157.572,35.413 157.981,35.003 161.636,35.003 161.803,34.836 161.803,32.541 161.654,32.392 R7.1
  Top Layer w0.381: R5.1 R5.1@155.998,38.437 ; IC3.1 157.572,38.188 157.323,38.437 R5.1@155.998,38.437 ; IC3.8 157.572,40.288 157.252,39.969 R6.1 155.946,38.489 R5.1@155.998,38.437
P5V0SB: C1.2 C3.2 IC1.5 IC2.3 J6.2 LD1.2 LD2.2 LD3.2 LD4.2 LD5.2 R4.2 R5.2 R6.2 | length 274.6
  Top Layer w0.254: C1.2@155.787,51.689 155.787,51.028 155.787,50.519 155.906,50.4 IC1.5
  Top Layer w0.356: 152.418,51.028 155.787,51.028
  Top Layer w0.381: v1(147.986,27.174) 146.461,27.174 145.852,27.783 145.852,36.601 J6.2 149.717,40.233 153.646,40.233 ; v1(151.705,28.664) 151.778,28.664 152.496,29.382 IC2.3 155.092,29.37 156.872,29.37 v1(156.884,29.358) ; 152.204,45.068 152.204,50.814 152.418,51.028 ; R4.2 153.635,40.244 153.646,40.233 ; R5.2 154.371,38.462 154.371,39.969 154.106,40.233 153.646,40.233 ; v1(156.884,29.358) C3.2@157.763,29.359
  Top Layer w0.508: v1(3.003,85.426) 24.033,85.426 24.79,84.669 27.672,84.669 28.271,84.069 28.272,84.068 ccw(c28.631,84.429) 28.631,83.921 138.281,83.921 cw(c138.281,83.413) 138.64,83.772 146.524,75.888 146.524,47.366 148.823,45.068 152.204,45.068 153.112,45.068 153.635,44.545 R4.2
  Bottom Layer w0.203: -4.946,82.871 -4.973,82.871 -5.092,82.752 -5.092,76.416 ; LD1.2 -5.092,54.356 -5.092,63.18 ; LD5.2 -5.092,63.18 ; LD3.2 -5.092,67.592 ; LD4.2 -5.092,72.004 ; LD2.2 -5.092,76.416 ; -5.092,63.18 -5.092,67.592 ; -5.092,67.592 -5.092,72.004 ; -5.092,72.004 -5.092,76.416
  Bottom Layer w0.381: v1(147.986,27.174) 148.031,27.22 148.031,27.634 149.061,28.664 v1(151.705,28.664)
  Bottom Layer w0.508: -4.946,82.871 -2.446,85.37 1.443,85.37 1.499,85.426 v1(3.003,85.426)
P12V0: J1.3 J1.4 J5.3 J5.4 J7.3 J7.4 J8.3 J8.4 J9.3 J9.4 J10.3 J10.4 NT2.2 NT3.2 R1.2 R15.2 | length 66.9
  Top Layer w0.4: R15.2 112.081,85.762 112.327,85.516 ; 112.328,85.516 ccw(c112.61,85.799) 112.61,85.399 132.391,85.399 ccw(c132.391,85.799) 132.674,85.516 133.32,86.162 cw(c133.602,85.878) 133.602,86.278 139.419,86.278 cw(c139.419,85.878) 139.701,86.162 146.145,79.717 ccw(c146.428,80) 146.428,79.6 v1(168.017,79.6)
  Bottom Layer w0.4: J9.3 168.671,76.199 168.671,78.946 v1(168.017,79.6)
P12V0_SMPS: MP1.1 NT1.2 R1.1 | length 3.3
  Top Layer w0.254: 154.079,62.817 R1.1@156.379,65.117
PANEL: ST2.2
PE: B1.1 B2.1 B3.1 B4.1 B5.1 B6.1 B7.1 B8.1 C4.1 FL1.PE J2.2 R19.1 ST2.1 | length 408.3
  Top Layer w0.508: ST2.1@0.152,-0.049 ST2.1@0.456,0.255
  Top Layer w0.635: C4.1 15.538,80.19 17.85,80.19 R19.1 17.935,80.187 17.881,80.132 17.881,79.22 20.251,76.85 B1.1
  Bottom Layer w2: ST2.1 1.268,-1.268 21.5,-1.268 ; FL1.PE 7.672,27.648 ; B1.1 15.39,76.85 10.1,71.56 J2.2 10.1,59.691 11.664,58.128 11.664,31.64 7.672,27.648 ; B8.1@167.816,4.455 137.201,4.455 137.1,4.354 ; B7.1 B5.1 141.379,84.45 137.117,80.187 137.117,76.867 B3.1 138.832,75.118 143.247,75.118 144.868,73.497 144.868,15.403 141.727,12.262 137.312,12.262 B4.1 137.1,4.354 ; 7.672,27.648 7.672,12.448 8.843,11.277 20.727,11.277 B2.1 21.5,-1.268 ; 21.5,-1.268 132.547,-1.268 137.1,3.285 137.1,4.354
RTN_Sense: J4.1 NT4.1 | length 52.3
  Top Layer w0.2: J4.1 148.15,49.9 148.612,49.9 149.074,50.362 150.354,50.362 150.872,50.88 150.872,75.213 153.997,78.337 170.128,78.337 172.032,76.434 172.032,75.614
SMPS_PG: J4.4 R2.1 | length 3.8
  Top Layer w0.152: R2.1@149.599,54.906 R2.1
  Top Layer w0.254: v1(149.599,54.078) R2.1@149.599,54.906
  Bottom Layer w0.254: J4.4 v1@149.6,54.078
pads on no net: FTG1.FTG2 FTG2.1 IC3.4 IC3.5 J1.5 J2.4 J2.5 J5.5 J7.5 J8.5 J9.5 J10.5 LD1.3 LD2.3 LD3.3 LD4.3 LD5.3 LD6.3

## Polygon pours and split planes (outlines as drawn)
GND on Top Layer "TOP_GND" (solid, remove dead copper, pour order 5): 14.463,92.2 14.463,90.846 13.258,89.707 2.758,89.707 -5.463,81.486 -5.463,47.223 -0.232,52.455 -0.232,78.543 3.581,82.356 132.87,82.356 133.6,81.627 133.641,75.626 136.004,73.336 142.589,73.336 143.429,72.496 143.429,16.15 142.615,15.336 136.933,15.322 133.654,12.043 133.654,5.309 -1.081,5.191 -2.309,6.419 -5.5,6.419 -5.5,5.8 -3.5,3.8 -3.5,-3.3 181.5,-3.3 181.5,92.2
P12V0 on Top Layer "TOP_P12V0" (solid, pour order 4): 159.78,53.566 162.563,50.783 162.563,11.366 169.671,11.366 169.769,11.464 169.769,74.279 168.145,75.902 161.679,75.902 161.344,75.568 161.344,60.855 161.174,60.684 155.855,60.684 154.056,58.885 154.056,53.566
GND on Bottom Layer "GND_L02_P003" (solid, remove dead copper, pour order 3): 0.598,89.674 13.543,89.674 14.483,90.614 14.494,92.2 181.5,92.2 181.5,6.235 137.201,6.235 137.201,10.5 139.877,13.176 139.877,69.551 137.72,71.724 135.669,71.724 133.666,73.793 133.666,80.429 -0.209,80.429 -0.209,53.033 -2.898,46.995 -2.898,7.314 -1.117,5.533 18.346,5.533 18.346,1.247 3.749,1.247 1.602,3.394 -3.134,3.394 -5.5,5.8 -5.438,83.639

## Keep-outs
Keep-Out Layer:
  lines w0.013: -5.5,5.8 -5.5,83.1 -3.5,85.1 -3.5,94.45 181.5,94.45 181.5,-5.55 -3.5,-5.55 -3.5,3.8 -5.5,5.8 ; 25.4,1.5 ccw(c26.4,1.5) 26.4,0.5 36.4,0.5 ccw(c36.4,1.5) 37.4,1.5 ccw(c36.4,1.5) 36.4,2.5 26.4,2.5 ccw(c26.4,1.5) 25.4,1.5 ; 25.4,87.4 cw(c26.4,87.4) 26.4,88.4 36.4,88.4 cw(c36.4,87.4) 37.4,87.4 cw(c36.4,87.4) 36.4,86.4 26.4,86.4 cw(c26.4,87.4) 25.4,87.4 ; 120.4,1.5 ccw(c121.4,1.5) 121.4,0.5 131.4,0.5 ccw(c131.4,1.5) 132.4,1.5 ccw(c131.4,1.5) 131.4,2.5 121.4,2.5 ccw(c121.4,1.5) 120.4,1.5 ; 120.4,87.4 cw(c121.4,87.4) 121.4,88.4 131.4,88.4 cw(c131.4,87.4) 132.4,87.4 cw(c131.4,87.4) 131.4,86.4 121.4,86.4 cw(c121.4,87.4) 120.4,87.4
  lines w0.254: 0.566,76.47 cw(c0.2,79.886) 2.374,82.546 ; 1.396,56.106 ccw(c0.2,52.886) 1.428,49.678

## Other copper
Top Layer:
  region net P12V0_SMPS: 160.965,61.528 160.965,75.244 152.812,75.244 152.812,61.528
  pour cut-out: 1.615,82.923 0.2,81.508 0.2,52.816 -5.5,47.116 -5.5,9.881 -1.023,5.404 25.201,5.404 25.201,12.122 20.471,16.852 20.471,26.091 14.583,27.39 14.583,82.923
Bottom Layer:
  pour cut-out: 12.93,28.278 18.102,28.278 19.633,26.747 19.633,12.316 18.426,11.109 10.789,11.109 10.178,11.721 10.178,26.747 10.304,26.747 10.178,26.747
  pour cut-out: 0,55.95 1.123,57.073 1.382,57.073 2.096,57.786 8.319,57.786 10.14,55.965 10.14,50.604 8.414,48.878 1.2,48.878 -0.154,50.232
  pour cut-out: 0.683,83.045 9.556,83.045 10.14,82.461 10.14,76.626 7.94,74.426 1.906,74.426 0.2,76.132
  pour cut-out: -1.87,47.777 6.573,47.777 6.935,47.416 6.935,32.985 4.341,30.391 -0.522,30.391 -2.52,32.389 -2.52,47.416 -2.393,47.416 -2.52,47.416
  pour cut-out: -2.5,21.45 5.943,21.45 6.305,21.088 6.305,6.657 5.098,5.45 -1.081,5.45 -3.15,7.519 -3.15,21.088 -3.024,21.088 -3.15,21.088

## Silkscreen, mask and mechanical layers (free items; w line width, h text height)
Top Overlay:
  text "+12V" at 155.052,75.621 h1.78
  text "to CN11" at 145.002,47.542 h1.78 r90
  text "to CN95" at 145.155,38.49 h1.78 r90
  text "N" at 12.05,27.241 h1.52 r270
  text "P" at 12.05,13.621 h1.52 r270
  text "GND" at 155.742,12.022 h1.78
  text "EEM_PWR_MOD_AC v1.3" at 30.79,-1.766 h1.52
Mechanical 1:
  drawing of 255 lines, arcs and shapes, not listed
  text "Layer" at 24.062,145.478 h1.52
  text "Name" at 34.474,145.478 h1.52
  text "Material" at 58.089,145.478 h1.52
  text "Thickness" at 79.927,145.478 h1.52
  text "Constant" at 96.433,145.478 h1.52
  text "Board Layer Stack" at 110.908,145.478 h1.52
  text "Top Overlay" at 34.474,142.43 h1.52
  text "Top Solder" at 34.474,139.382 h1.52
  text "Solder Resist" at 58.089,139.382 h1.52
  text "0,39mil" at 79.927,139.382 h1.52
  text "3.5" at 96.433,139.382 h1.52
  text "1" at 24.062,136.334 h1.52
  text "Top Layer" at 34.474,136.334 h1.52
  text "1,38mil" at 79.927,136.334 h1.52
  text "Dielectric 6" at 34.474,133.286 h1.52
  text "FR-4" at 58.089,133.286 h1.52
  text "61,02mil" at 79.927,133.286 h1.52
  text "4.6" at 96.433,133.286 h1.52
  text "2" at 24.062,130.238 h1.52
  text "Bottom Layer" at 34.474,130.238 h1.52
  text "1,38mil" at 79.927,130.238 h1.52
  text "Bottom Solder" at 34.474,127.19 h1.52
  text "Solder Resist" at 58.089,127.19 h1.52
  text "0,39mil" at 79.927,127.19 h1.52
  text "3.5" at 96.433,127.19 h1.52
  text "Bottom Overlay" at 34.474,124.142 h1.52
Mechanical 13:
  text "RPS-400-12 or EPP-400-12" at 64.191,-21.578 h2.54
Mechanical 400:
  lines w0.013: 14.5,28.05 ccw(c15.5,28.05) 15.5,27.05 17,27.05 cw(c17,23.55) 20.5,23.55 20.5,16.55 ccw(c21.5,16.55) 21.5,15.55 cw(c21.5,12.05) 25,12.05 25,6.55 ccw(c26,6.55) 26,5.55 132.6,5.55 ccw(c132.6,6.55) 133.6,6.55 133.6,12.05 cw(c137.1,12.05) 137.1,15.55 142.1,15.55 ccw(c142.1,16.55) 143.1,16.55 143.1,72.35 ccw(c142.1,72.35) 142.1,73.35 137.1,73.35 cw(c137.1,76.85) 133.6,76.85 133.6,81.45 ccw(c132.6,81.45) 132.6,82.45 26,82.45 ccw(c26,81.45) 25,81.45 25,76.85 cw(c21.5,76.85) 21.5,73.35 15.5,73.35 ccw(c15.5,72.35) 14.5,72.35 14.5,28.05 ; 25.4,1.5 cw(c26.4,1.5) 26.4,2.5 36.4,2.5 cw(c36.4,1.5) 37.4,1.5 cw(c36.4,1.5) 36.4,0.5 26.4,0.5 cw(c26.4,1.5) 25.4,1.5 ; 25.4,87.4 cw(c26.4,87.4) 26.4,88.4 36.4,88.4 cw(c36.4,87.4) 37.4,87.4 cw(c36.4,87.4) 36.4,86.4 26.4,86.4 cw(c26.4,87.4) 25.4,87.4 ; 120.4,1.5 ccw(c121.4,1.5) 121.4,0.5 131.4,0.5 ccw(c131.4,1.5) 132.4,1.5 ccw(c131.4,1.5) 131.4,2.5 121.4,2.5 ccw(c121.4,1.5) 120.4,1.5 ; 120.4,87.4 ccw(c121.4,87.4) 121.4,86.4 131.4,86.4 ccw(c131.4,87.4) 132.4,87.4 ccw(c131.4,87.4) 131.4,88.4 121.4,88.4 ccw(c121.4,87.4) 120.4,87.4
Mechanical 401:
  circle w0.127: c137.1,76.85 r1.7
  circle w0.127: c137.1,12.05 r1.7
  circle w0.127: c21.5,76.85 r1.7
  circle w0.127: c21.5,12.05 r1.7
  circle w0.127: c0,88.9 r1.35
  circle w0.127: c0,0 r1.35
  lines w0.127: -1.35,0 1.35,0 ; 0,-1.35 0,1.35
Mechanical 402:
  the board outline again, w0.013
Mechanical 403:
  circle w0.064: c26.4,88.4 r0.032
  circle w0.064: c20.612,94.45 r0.032
  circle w0.064: c20.612,94.45 r0.032
  circle w0.064: c0,0 r0.032
  circle w0.064: c26.4,0.5 r0.032
  circle w0.064: c-11.197,0.5 r0.032
  circle w0.064: c26.4,88.4 r0.032
  circle w0.064: c36.4,88.4 r0.032
  circle w0.064: c36.4,88.9 r0.032
  circle w0.064: c0,88.9 r0.032
  circle w0.064: c26.4,88.4 r0.032
  circle w0.064: c-24.236,88.4 r0.032
  circle w0.064: c21.5,12.05 r0.032
  circle w0.064: c0,0 r0.032
  circle w0.064: c-14.428,0 r0.032
  circle w0.064: c21.5,76.85 r0.032
  circle w0.064: c0,88.9 r0.032
  circle w0.064: c-23.042,88.9 r0.032
  circle w0.064: c47.097,82.45 r0.032
  circle w0.064: c47.097,94.45 r0.032
  circle w0.064: c47.097,94.45 r0.032
  circle w0.064: c50.625,5.55 r0.032
  circle w0.064: c50.625,-5.55 r0.032
  circle w0.064: c50.625,-5.55 r0.032
Mechanical 404:
  region: 20.612,88.4 20.582,88.58 20.642,88.58
  region: 20.642,94.27 20.582,94.27 20.612,94.45
  region: -11.167,-0.18 -11.227,-0.18 -11.197,0
  region: -11.197,0.5 -11.227,0.68 -11.167,0.68
  region: 26.58,88.87 26.4,88.9 26.58,88.93
  region: 36.4,88.9 36.22,88.87 36.22,88.93
  region: -24.236,88.9 -24.266,89.08 -24.206,89.08
  region: -24.206,88.22 -24.266,88.22 -24.236,88.4
  region: -14.398,11.87 -14.458,11.87 -14.428,12.05
  region: -14.428,0 -14.458,0.18 -14.398,0.18
  region: -23.042,76.85 -23.072,77.03 -23.012,77.03
  region: -23.012,88.72 -23.072,88.72 -23.042,88.9
  region: 47.097,82.45 47.067,82.63 47.127,82.63
  region: 47.127,94.27 47.067,94.27 47.097,94.45
  region: 50.655,5.37 50.595,5.37 50.625,5.55
  region: 50.625,-5.55 50.595,-5.37 50.655,-5.37
  lines w0.127: -24.416,88.4 26.338,88.4 20.432,88.4 ; -24.416,88.9 -0.062,88.9 -23.222,88.9 ; -24.236,88.04 -24.236,88.22 ; -24.236,89.08 -24.236,89.26 ; -23.222,76.85 21.438,76.85 ; -23.042,77.03 -23.042,82.695 ; -23.042,83.055 -23.042,88.72 ; -14.608,0 -0.062,0 -11.377,0 ; -14.608,12.05 21.438,12.05 ; -14.428,0.18 -14.428,5.845 ; -14.428,6.205 -14.428,11.87 ; -11.377,0.5 26.337,0.5 ; -11.197,-0.36 -11.197,-0.18 ; -11.197,0.68 -11.197,0.86 ; 20.432,94.45 20.55,94.45 ; 20.612,88.58 20.612,91.245 ; 20.612,91.605 20.612,94.27 ; 26.4,88.463 26.4,89.08 ; 26.58,88.9 30.875,88.9 ; 31.925,88.9 36.22,88.9 ; 36.4,88.463 36.4,89.08 ; 46.917,82.45 47.034,82.45 ; 46.917,94.45 47.034,94.45 ; 47.097,82.63 47.097,88.27 ; 47.097,88.63 47.097,94.27 ; 50.445,-5.55 50.562,-5.55 ; 50.445,5.55 50.562,5.55 ; 50.625,-5.37 50.625,-0.18 ; 50.625,0.18 50.625,5.37
  text "6.0500" at 20.171,91.335 h0.18
  text "10.0000" at 30.881,88.81 h0.18
  text "0.5000" at -24.681,88.56 h0.18
  text "12.0000" at 46.578,88.36 h0.18
  text "12.0500" at -23.561,82.785 h0.18
  text "12.0500" at -14.946,5.935 h0.18
  text "0.5000" at -11.642,0.16 h0.18
  text "11.1000" at 50.106,-0.09 h0.18

## Dimensions
-3.5,-5.55 to 0.07,0 on Drill Drawing
0.07,0 to -3.5,-5.55 on Drill Drawing

## Text inside footprints (layer, text, board x,y; h text height)
FL1: Top Overlay "P" at -1.075,43.178 h1.2 r270; Top Overlay "N" at -1.075,35.558 h1.2 r270; Top Overlay "PE" at -1.075,28.578 h1.2 r270; Top Overlay "N'" at -1.075,17.778 h1.2 r270; Top Overlay "P'" at -1.075,10.158 h1.2 r270
J1: Top Overlay "1" at 171.072,32.425 h1.2 r270; Mechanical 14 "1" at 171.072,32.425 h1.2 r270
J2: Top Overlay "L" at 9.125,49.589 h1.5 r90; Top Overlay "N" at 9.15,82.286 h1.5 r90; Mechanical 14 "L" at 9.125,49.589 h1.5 r90; Mechanical 14 "N" at 9.15,82.286 h1.5 r90; Notvisible "Must be 2mm" at 6.15,61.311 h1 r90; Notvisible "3D Fuse (5X20) Stand-off Heigh" at 4.175,54.861 h1 r90
J5: Top Overlay "1" at 171.072,43.425 h1.2 r270; Mechanical 14 "1" at 171.072,43.425 h1.2 r270
J7: Top Overlay "1" at 171.072,54.425 h1.2 r270; Mechanical 14 "1" at 171.072,54.425 h1.2 r270
J8: Top Overlay "1" at 171.072,65.425 h1.2 r270; Mechanical 14 "1" at 171.072,65.425 h1.2 r270
J9: Top Overlay "1" at 171.072,76.425 h1.2 r270; Mechanical 14 "1" at 171.072,76.425 h1.2 r270
J10: Top Overlay "1" at 171.072,21.425 h1.2 r270; Mechanical 14 "1" at 171.072,21.425 h1.2 r270